# Altium PCB waffling80-NMB.PcbDoc (part 2 of 3)
Units mm, origin at the board's own origin, x right, y up, seen from the top; angles counter-clockwise.
Board outline 343.71 x 123.53 mm, 2 copper layers (Component Side, Bottom Layer), stack 1.171 mm thick; 246 components, 143 nets, 1022 pads, 157 vias.
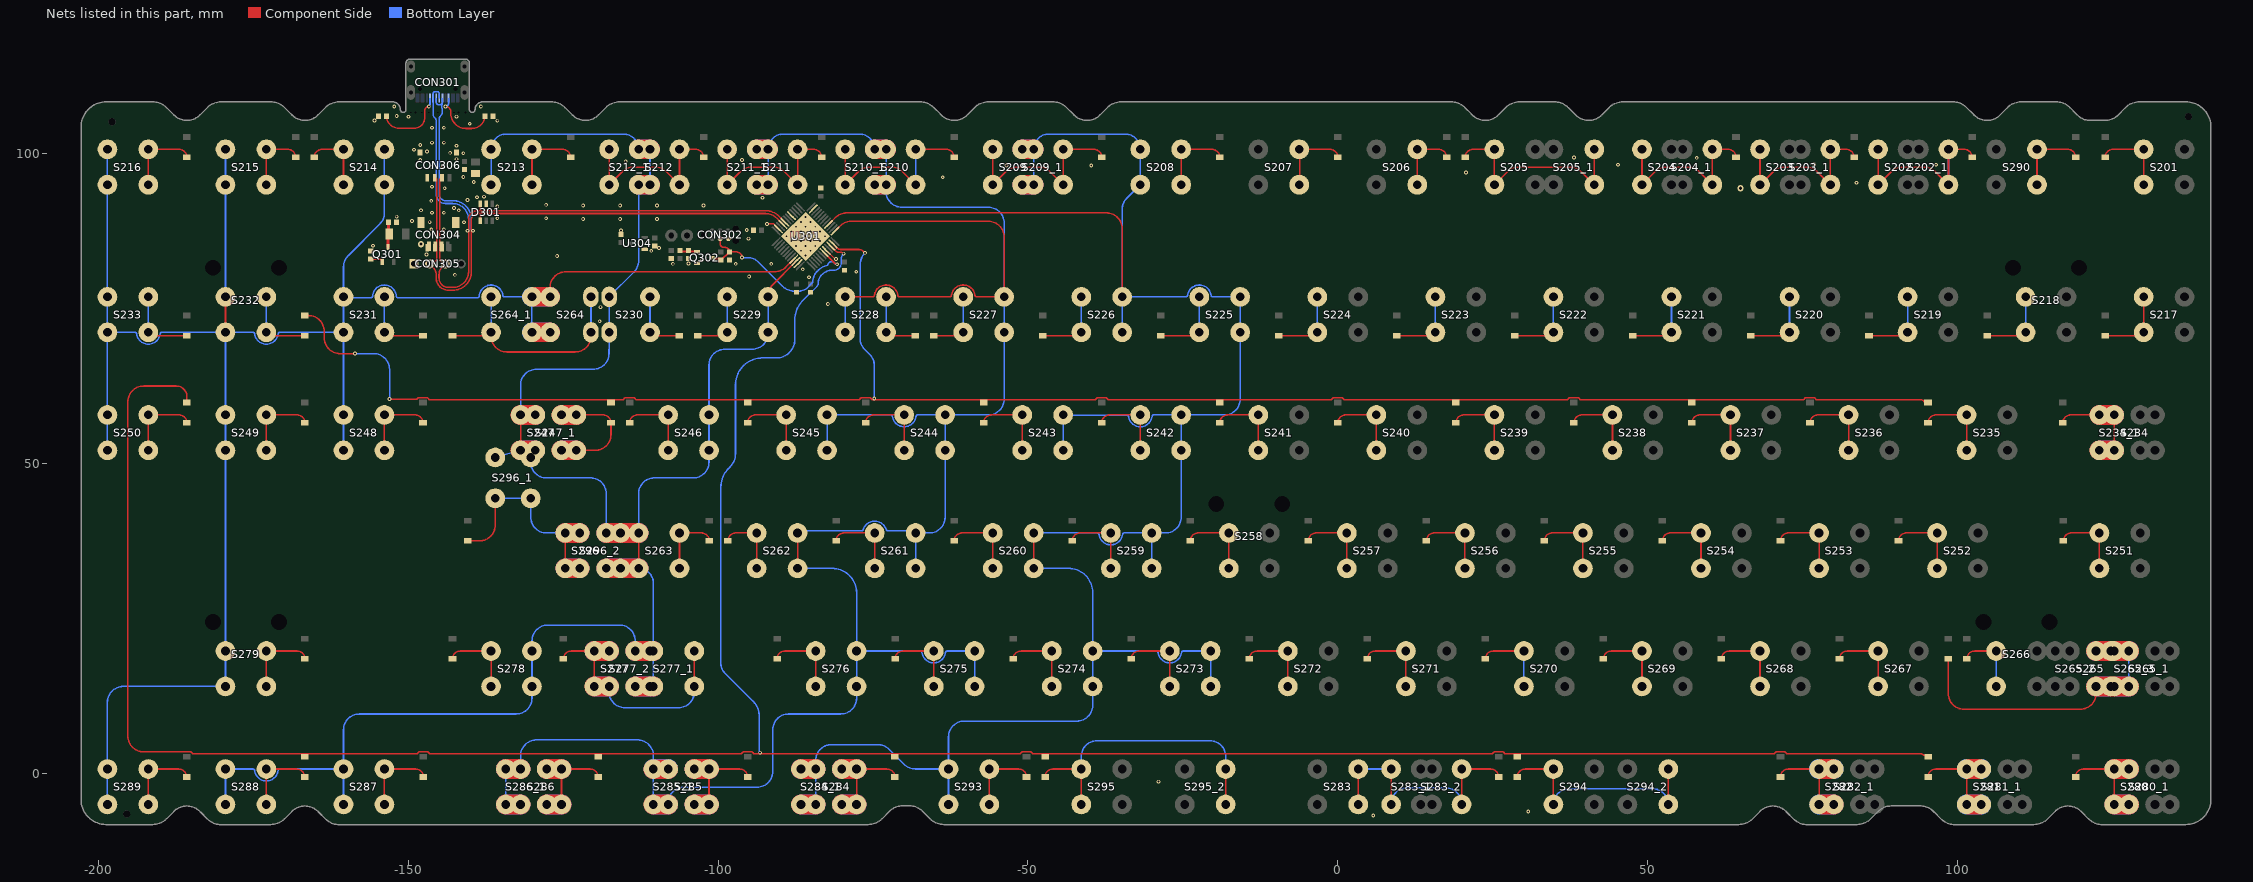
[diagram p2: the nets of this part, all layers, seen from the top]

## Via types
v1: diameter 0.6, hole 0.3, Component Side to Bottom Layer, tented both sides, 128 vias
v2: diameter 0.6, hole 0.3, Component Side to Bottom Layer, tented bottom, 25 vias
v3: diameter 1, hole 0.5, Component Side to Bottom Layer, tented both sides, 4 vias

## Nets (pads, with @x,y where several pads share a name; then routed paths per layer and width w, separated by ;. In a path a pad name is that pad's centre, name@x,y a point inside that pad or via, vN(x,y) a via of type N, cw(c..) or ccw(c..) an arc to the next point about the centre after c; other vN are vias at no path point) (continued)
col5: S208.2 S209.2 S209_1.2 S225.2 S226.2 S242.2 S243.2 S259.2 S260.2 S273.2 S274.2 S284.2 S284_1.2 S293.2 U301.16 | length 389.9
  Component Side w0.254: U301.16@-82.007,88.714 -81.078,89.643 cw(c-79.282,87.847) -79.282,90.387 -37.34,90.387 cw(c-37.34,87.847) -34.8,87.847 S226.2@-34.8,76.84 ; S260.2@-49.088,33.02 S260.2@-49.088,38.74
  Component Side w3.18: S284_1.2@-86.644,-5.08 S284.2@-84.263,-5.08 ; S284_1.2@-86.644,0.64 S284.2@-84.263,0.64 ; S209_1.2@-50.926,94.932 S209.2@-49.088,94.932 ; S209_1.2@-50.926,100.653 S209.2@-49.088,100.652
  Bottom Layer w0.254: S284.2@-84.263,-5.08 S284.2@-84.263,0.64 -84.263,2.032 cw(c-81.723,2.032) -81.723,4.572 -74.221,4.572 cw(c-74.221,2.032) -72.425,3.828 -69.981,1.384 ccw(c-68.185,3.18) -68.185,0.64 S293.2@-62.832,0.64 ; S293.2@-62.832,-5.08 S293.2@-62.832,0.64 ; S260.2@-49.088,33.02 -43.437,33.02 cw(c-43.437,29.145) -39.562,29.145 S274.2@-39.562,19.69 ; S260.2@-49.088,38.74 -38.793,38.74 cw(c-38.794,38.486) -38.542,38.516 ccw(c-36.638,38.74) -34.734,38.517 cw(c-34.482,38.486) -34.483,38.74 S259.2@-30.038,38.74 ; S209.2@-49.088,94.932 S209.2@-49.088,100.652 cw(c-46.64,100.652) -46.64,103.101 -34.325,103.101 cw(c-34.325,100.652) S208.2@-31.876,100.652 S208.2@-31.876,94.932 -34.057,92.751 ccw(c-32.26,90.955) -34.8,90.955 S226.2@-34.8,76.84 ; S243.2@-44.325,52.07 S243.2@-44.325,57.79 ccw(c-44.218,58.02) -44.219,57.766 -34.028,57.766 cw(c-34.029,57.512) -33.777,57.546 ccw(c-31.876,57.79) -29.972,57.566 cw(c-29.719,57.536) -29.721,57.79 S242.2@-25.275,57.79 ; S226.2@-34.8,71.12 S226.2@-34.8,76.84 ; S259.2@-30.038,33.02 S259.2@-30.038,38.74 ; -23.998,77.821 cw(c-22.351,76.84) -20.447,77.063 ccw(c-20.194,77.094) -20.196,76.84 S225.2@-15.75,76.84 S225.2@-15.75,71.12 -15.75,60.33 cw(c-18.29,60.33) -18.29,57.79 S242.2@-25.275,57.79 ; -23.511,78.366 ccw(c-22.351,76.84) -24.254,77.064 cw(c-24.507,77.094) -24.505,76.84 S226.2@-34.8,76.84 ; S273.2@-20.513,13.97 S273.2@-20.513,19.69 -24.958,19.69 ccw(c-24.957,19.436) -25.209,19.467 cw(c-27.113,19.69) -29.017,19.466 ccw(c-29.269,19.436) -29.268,19.69 S274.2@-39.562,19.69 ; S293.2@-62.832,0.64 -62.832,5.842 cw(c-60.292,5.842) -60.292,8.382 -42.102,8.382 ccw(c-42.102,10.922) -39.562,10.922 S274.2@-39.562,13.97 S274.2@-39.562,19.69 ; S259.2@-30.038,38.74 -27.815,38.74 ccw(c-27.815,41.28) -25.275,41.28 S242.2@-25.275,52.07 S242.2@-25.275,57.79
  Bottom Layer w3.18: S284_1.2@-86.644,0.64 S284.2@-84.263,0.64 ; S284_1.2@-86.603,-5.08 S284.2@-84.263,-5.08 ; S209_1.2@-50.926,94.932 S209.2@-49.088,94.932 ; S209_1.2@-50.926,100.653 S209.2@-49.088,100.652
col6: S210.2 S210_1.2 S211.2 S211_1.2 S227.2 S228.2 S244.2 S245.2 S261.2 S262.2 S275.2 S276.2 S285.2 S285_1.2 S286.2 S286_1.2 U301.13 | length 423.9
  Component Side w0.254: S262.2@-87.188,33.355 S262.2@-87.188,38.74 ; U301.13@-80.946,87.654 -80.26,88.339 cw(c-78.605,86.684) -78.605,89.025 -56.39,89.025 cw(c-56.39,86.485) -53.85,86.485 S227.2@-53.85,76.84 -58.296,76.84 cw(c-58.294,77.094) -58.547,77.063 ccw(c-60.451,76.84) -61.064,78.656 ; S228.2@-79.501,76.84 -75.055,76.84 ccw(c-75.057,77.094) -74.804,77.064 cw(c-72.9,76.84) -71.525,78.175 ; -72.423,78.696 cw(c-72.9,76.84) -70.997,77.063 ccw(c-70.744,77.094) -70.746,76.84 -62.605,76.84 ccw(c-62.607,77.094) -62.354,77.064 cw(c-60.451,76.84) -59.986,78.7
  Component Side w3.18: S286_1.2@-134.269,-5.08 S286.2@-131.888,-5.08 ; S286_1.2@-134.269,0.64 S286.2@-131.888,0.64 ; S285_1.2@-110.456,-5.08 S285.2@-108.075,-5.08 ; S285_1.2@-110.456,0.601 S285.2@-108.075,0.601 ; S211.2@-93.789,94.932 S211_1.2@-91.95,94.932 ; S211.2@-93.789,100.652 S211_1.2@-91.95,100.653 ; S210.2@-74.739,94.932 S210_1.2@-72.9,94.932 ; S210.2@-74.739,100.652 S210_1.2@-72.9,100.653
  Bottom Layer w0.254: S286_1.2@-134.269,-5.08 S286_1.2@-134.269,0.64 ; S286.2@-131.888,0.64 -131.888,2.794 cw(c-129.348,2.794) -129.348,5.334 -112.996,5.334 cw(c-112.996,2.794) -110.456,2.794 S285_1.2@-110.456,0.64 S285_1.2@-110.456,-5.08 ; S285.2@-108.075,-5.08 -108.075,-4.826 cw(c-105.535,-4.826) -105.535,-2.286 -93.726,-2.286 ccw(c-93.726,0.254) -91.186,0.254 -91.186,6.985 cw(c-88.646,6.985) -88.646,9.525 -80.203,9.525 ccw(c-80.203,12.065) -77.663,12.065 S276.2@-77.663,13.97 S276.2@-77.663,19.69 ; S211_1.2@-91.95,94.932 S211_1.2@-91.95,100.653 cw(c-89.502,100.653) -89.502,103.101 -77.188,103.101 cw(c-77.188,100.652) S210.2@-74.739,100.652 ; S262.2@-87.188,33.02 -81.588,33.02 cw(c-81.588,29.095) -77.663,29.095 S276.2@-77.663,19.69 ; S262.2@-87.188,38.74 cw(c-86.28,37.832) -86.28,39.116 -76.814,39.116 ccw(c-76.816,39.37) -76.573,39.295 cw(c-74.738,38.74) -72.903,39.295 ccw(c-72.66,39.37) -72.662,39.116 -68.619,39.116 cw(c-68.619,38.862) -68.44,39.042 S261.2@-68.138,38.74 ; S245.2@-82.425,52.07 S245.2@-82.425,57.79 -72.13,57.79 cw(c-72.132,57.536) -71.879,57.566 ccw(c-69.976,57.79) -68.072,57.567 cw(c-67.819,57.536) -67.821,57.79 S244.2@-63.375,57.79 ; S228.2@-79.501,71.12 S228.2@-79.501,76.84 ; S210_1.2@-72.9,100.653 S210_1.2@-72.9,94.932 -72.9,93.835 ccw(c-70.36,93.835) -70.36,91.295 -56.39,91.295 cw(c-56.39,88.755) -53.85,88.755 S227.2@-53.85,76.84 S227.2@-53.85,71.12 -53.85,60.33 cw(c-56.39,60.33) -56.39,57.79 S244.2@-63.375,57.79 ; S261.2@-68.138,33.02 S261.2@-68.138,38.74 ; S275.2@-58.613,13.97 S275.2@-58.613,19.69 -63.058,19.69 ccw(c-63.057,19.436) -63.309,19.467 cw(c-65.213,19.69) -67.117,19.466 ccw(c-67.369,19.436) -67.368,19.69 S276.2@-77.663,19.69 ; S261.2@-68.138,38.74 -65.915,38.74 ccw(c-65.915,41.28) -63.375,41.28 S244.2@-63.375,52.07 S244.2@-63.375,57.79
  Bottom Layer w3.18: S286_1.2@-134.269,0.64 S286.2@-131.888,0.64 ; S286_1.2@-134.228,-5.08 S286.2@-131.888,-5.08 ; S285_1.2@-110.456,0.64 S285.2@-108.075,0.64 ; S285_1.2@-110.416,-5.08 S285.2@-108.075,-5.08 ; S211.2@-93.789,94.932 S211_1.2@-91.95,94.932 ; S211.2@-93.789,100.652 S211_1.2@-91.95,100.653 ; S210.2@-74.739,94.932 S210_1.2@-72.9,94.932 ; S210.2@-74.739,100.652 S210_1.2@-72.9,100.653
col7: S212.2 S212_1.2 S213.2 S229.2 S230.2 S246.2 S247.2 S247_1.2 S263.2 S277.2 S277_1.2 S277_2.2 S278.2 S287.2 S288.2 S296.2 S296_1.2 S296_2.2 U301.46 | length 362.6
  Component Side w0.254: S247.2@-131.888,52.07 S247.2@-131.888,57.79 ; S296.2@-118.062,38.106 S296.2@-118.062,38.74 ; S263.2@-112.838,33.02 S263.2@-112.838,38.74 ; S229.2@-91.95,76.84 -91.95,77.011 cw(c-89.41,77.011) -91.207,78.807 U301.46@-87.628,82.386
  Component Side w3.18: S247.2@-131.888,52.07 S247_1.2@-129.506,52.069 ; S247.2@-131.888,57.79 S247_1.2@-129.506,57.79 ; S296.2@-118.062,38.74 S296_2.2@-115.763,38.74 S263.2@-112.838,38.74 ; S296.2@-118.021,33.02 S296_2.2@-115.763,33.02 S263.2@-112.838,33.02 S263.2@-112.797,33.02 ; S277.2@-113.382,13.97 S277_2.2@-111,13.97 S277_1.2@-110.457,13.97 ; S277.2@-113.382,19.69 S277_2.2@-111,19.69 S277_1.2@-110.457,19.69 ; S212.2@-112.839,94.932 S212_1.2@-111,94.932 ; S212.2@-112.839,100.652 S212_1.2@-111,100.653
  Bottom Layer w0.254: S288.2@-179.513,-5.08 S288.2@-179.513,0.64 -175.067,0.64 cw(c-175.069,0.386) -174.816,0.416 ccw(c-172.912,0.64) -171.009,0.417 cw(c-170.756,0.386) -170.758,0.64 S287.2@-160.463,0.64 ; S287.2@-160.463,-5.08 S287.2@-160.463,0.64 ; S213.2@-136.651,94.932 S213.2@-136.651,100.652 cw(c-134.202,100.652) -134.202,103.101 -115.288,103.101 cw(c-115.288,100.652) S212.2@-112.839,100.652 ; S296_1.2@-135.972,50.93 S247.2@-131.888,52.07 ; S247.2@-131.888,57.79 -131.888,62.611 cw(c-129.348,62.611) -129.348,65.151 -120.161,65.151 ccw(c-120.161,67.691) -117.621,67.691 -117.621,68.39 ccw(c-119.604,68.678) -117.601,68.678 S230.2@-117.601,71.12 S230.2@-117.601,76.84 -113.582,80.858 ccw(c-115.379,82.654) -112.839,82.654 S212.2@-112.839,94.932 ; S296_1.2@-130.252,50.93 -130.252,50.165 ccw(c-127.712,50.165) -127.712,47.625 -120.602,47.625 cw(c-120.602,45.085) -118.062,45.085 S296.2@-118.062,38.74 ; S277.2@-112.838,20.234 cw(c-113.382,20.234) S277.2@-113.382,19.69 -113.382,21.336 ccw(c-115.922,21.336) -115.922,23.876 -127.51,23.876 ccw(c-127.51,21.336) -130.05,21.336 S278.2@-130.05,19.69 S278.2@-130.05,13.97 -130.05,12.065 cw(c-132.59,12.065) -132.59,9.525 -157.923,9.525 ccw(c-157.923,6.985) -160.463,6.985 S287.2@-160.463,0.64 ; S263.2@-112.838,33.02 cw(c-112.838,30.639) -110.457,30.639 S277_1.2@-110.457,19.69 S277_1.2@-110.457,13.97 ; S263.2@-112.838,38.74 -112.838,45.085 cw(c-110.298,45.085) -110.298,47.625 -104.015,47.625 ccw(c-104.015,50.165) -101.475,50.165 S246.2@-101.475,52.07 S246.2@-101.475,57.79 -101.475,65.851 cw(c-98.935,65.851) -98.935,68.391 -94.49,68.391 ccw(c-94.49,70.931) -91.95,70.931 S229.2@-91.95,71.12 S229.2@-91.95,76.84 ; S212_1.2@-111,94.932 S212_1.2@-111,100.653
  Bottom Layer w3.18: S247.2@-131.805,52.069 S247_1.2@-129.527,52.069 ; S247.2@-131.785,57.79 S247_1.2@-129.506,57.79 ; S296.2@-118.062,33.02 S263.2@-112.838,33.02 ; S296.2@-118.041,38.74 S263.2@-112.838,38.74 ; S277.2@-113.382,13.97 S277_2.2@-111,13.97 S277_1.2@-110.457,13.97 ; S277.2@-113.382,19.69 S277_2.2@-111,19.69 S277_1.2@-110.457,19.69 ; S212.2@-112.839,94.932 S212_1.2@-111,94.932 ; S212.2@-112.839,100.652 S212_1.2@-111,100.653
col8: S214.2 S215.2 S216.2 S231.2 S232.2 S233.2 S248.2 S249.2 S250.2 S264.2 S264_1.2 S279.2 S289.2 U301.45 | length 360.8
  Component Side w0.254: S232.2@-179.513,71.12 S232.2@-179.513,76.84 ; S264.2@-127.126,76.84 -127.126,78.359 cw(c-124.586,78.359) -124.586,80.899 -90.874,80.899 ccw(c-90.874,83.439) -89.078,81.643 U301.45@-87.982,82.739
  Component Side w3.18: S264_1.2@-129.507,71.12 S264.2@-127.126,71.12 ; S264_1.2@-129.507,76.84 S264.2@-127.126,76.84
  Bottom Layer w0.254: S289.2@-198.563,-5.08 S289.2@-198.563,0.64 -198.563,11.43 cw(c-196.023,11.43) -196.023,13.97 S279.2@-179.513,13.97 S279.2@-179.513,19.69 S249.2@-179.513,52.07 S249.2@-179.513,57.79 S232.2@-179.513,71.12 ; S250.2@-198.563,52.07 S250.2@-198.563,57.79 S233.2@-198.563,71.12 ; S216.2@-198.563,100.652 S216.2@-198.563,94.932 S233.2@-198.563,76.84 S233.2@-198.563,71.12 ; S232.2@-179.513,76.84 S215.2@-179.513,94.932 S215.2@-179.513,100.652 ; S248.2@-160.463,52.07 S248.2@-160.463,57.79 S231.2@-160.463,71.12 ; -153.891,78.757 cw(c-153.862,76.84) -151.948,76.946 ccw(c-151.695,76.962) -151.696,76.708 -138.817,76.708 ccw(c-138.819,76.962) -138.565,76.947 cw(c-136.651,76.84) -138.015,78.187 ; S214.2@-153.862,100.652 S214.2@-153.862,94.932 -153.862,90.395 cw(c-156.402,90.395) -154.606,88.599 -159.719,83.486 ccw(c-157.923,81.69) -160.463,81.69 S231.2@-160.463,76.84 ; -153.211,78.643 ccw(c-153.862,76.84) -155.777,76.947 cw(c-156.03,76.962) -156.029,76.708 -160.241,76.708 cw(c-160.24,76.962) S231.2@-160.463,76.84 ; -138.423,77.572 cw(c-136.651,76.84) -134.747,77.063 ccw(c-134.495,77.094) -134.496,76.84 S264_1.2@-130.051,76.84 S264_1.2@-130.051,71.12 ; S233.2@-198.563,71.12 -194.117,71.12 cw(c-194.119,70.866) -193.866,70.896 ccw(c-191.962,71.12) -190.059,70.897 cw(c-189.806,70.866) -189.808,71.12 S232.2@-179.513,71.12 ; S232.2@-179.513,71.12 -175.067,71.12 cw(c-175.069,70.866) -174.816,70.896 ccw(c-172.912,71.12) -171.009,70.897 cw(c-170.756,70.866) -170.758,71.12 S231.2@-160.463,71.12 ; S231.2@-160.463,71.12 S231.2@-160.463,76.84
  Bottom Layer w3.18: S264_1.2@-130.051,71.12 S264.2@-127.126,71.12 ; S264_1.2@-130.051,76.84 S264.2@-127.126,76.84
D_N: CON301.A7 CON301.B7 CON304.2 CON305.2 CON306.2 D301.3 U301.32 | length 114.6
  Component Side w0.254: CON306.2@-144.561,96.05 ccw(c-144.561,95.679) -144.932,95.679 -144.932,85.251 ccw(c-144.661,85.251) CON304.2@-144.661,84.979 ccw(c-144.661,84.708) -144.932,84.708 -144.932,83.084 ccw(c-144.017,83.084) CON305.2@-144.017,82.168 -144.538,81.648 ccw(c-143.281,80.391) -145.058,80.391 -145.058,79.907 ccw(c-143.51,79.907) -143.51,78.359 -142.824,78.359 ccw(c-142.824,80.899) -140.284,80.899 -140.284,89.281 cw(c-138.811,89.281) -138.811,90.754 -138.374,90.754 ; D301.3@-138.389,91.862 -138.374,91.862 -138.374,90.754 ; U301.32@-89.868,89.51 ccw(c-89.838,89.541) -89.838,89.498 -89.408,89.068 U301.32@-89.396,89.068 ; U301.32@-89.868,89.51 -90.236,89.877 ccw(c-92.352,87.76) -92.352,90.754 -138.374,90.754
  Bottom Layer w0.254: CON301.A7@-145.007,108.92 -145.03,109.518 -145.03,109.645 ccw(c-145.357,109.645) -145.357,109.972 -145.657,109.972 ccw(c-145.657,109.645) -145.984,109.645 -145.984,109.518 CON301.B7@-146.007,108.92 -146.007,106.479 ccw(c-144.854,106.479) -145.669,105.664 cw(c-146.112,105.221) -145.486,105.221 -145.486,99.041 -145.486,93.378 ccw(c-144.018,93.378) -144.018,91.91 -142.824,91.91 cw(c-142.824,89.37) -140.284,89.37 v1@-140.284,87.678 ; v1(-140.462,87.5) ccw(c-140.462,87.678) v1@-140.284,87.678 ; v1@-140.284,87.48 v1@-140.284,87.678
D_P: CON301.A6 CON301.B6 CON304.3 CON305.3 CON306.3 D301.4 U301.33 | length 115.1
  Component Side w0.254: CON306.3@-145.761,96.05 cw(c-145.761,95.679) -145.39,95.679 -145.39,85.251 cw(c-145.661,85.251) CON304.3@-145.661,84.979 cw(c-145.661,84.708) -145.39,84.708 -145.39,83.336 cw(c-146.557,83.336) CON305.3@-146.557,82.168 -146.036,81.648 cw(c-147.293,80.391) -145.516,80.391 -145.516,79.907 ccw(c-143.51,79.907) -143.51,77.902 -142.824,77.902 ccw(c-142.824,80.899) -139.827,80.899 -139.827,89.281 cw(c-138.811,89.281) -138.811,90.297 -138.389,90.297 ; D301.4@-138.389,89.112 -138.389,90.297 ; U301.33@-89.75,88.714 -89.749,88.727 -90.179,89.156 ccw(c-90.222,89.156) -90.192,89.187 -90.558,89.553 ccw(c-92.354,87.757) -92.354,90.297 -138.389,90.297
  Bottom Layer w0.254: CON301.A6@-145.507,108.92 -145.484,108.322 -145.484,108.195 ccw(c-145.157,108.195) -145.157,107.868 -144.857,107.868 ccw(c-144.857,108.195) -144.53,108.195 -144.53,108.92 CON301.B6@-144.507,108.92 -144.507,108.042 cw(c-144.761,108.043) -144.546,107.907 ccw(c-144.018,107.569) -144.546,107.231 cw(c-144.761,107.095) -144.507,107.096 -144.507,106.824 cw(c-145.728,106.824) -144.865,105.96 ccw(c-144.469,105.565) -145.028,105.565 -145.028,93.378 ccw(c-144.018,93.378) -144.018,92.367 -142.824,92.367 cw(c-142.824,89.37) -139.827,89.37 -139.827,87.754 ccw(c-139.573,87.754) v1(-139.573,87.5)
GND: C301.1 C302.1 C303.1 C304.1 C305.1 C306.1 C307.1 C308.1 C310.2 C311.1 CON302.5 CON304.4 CON304.5 CON305.4 CON306.4 CON306.5 D301.2 L301.1 Q302.2 R301.2 R302.2 R304.2 R305.2 R307.2 U301.8 U301.23 U301.35 U301.47 U304.1 | length 17
  Component Side w0.254: v1(-92.131,88.606) -91.068,88.606 -90.469,88.007 U301.35@-90.457,88.007 ; U301.8@-82.36,84.154 -81.22,83.014 -81.041,83.014 v1(-80.975,82.947)
  Bottom Layer w0.254: v2(-86.656,84.277) v2(-84.322,86.611) ; v2(-86.656,88.944) v2(-85.1,87.389) v2(-84.322,86.611) ; v2@-85.878,89.722 v2(-85.1,88.944) v2(-84.322,88.166) v2(-83.545,87.389) ; v2(-83.545,85.833) v2(-84.322,86.611) ; v2(-82.767,86.611) v2(-83.545,87.389) ; v2(-84.322,86.611) v2(-83.545,87.389)
  other v1: 5.715,-6.858 30.734,-6.223 -28.956,-1.397 -119.126,72.898 -118.999,75.184 -82.296,75.692 -85.344,80.01 -94.996,80.137 -142.494,80.391 -77.724,80.899 -86.36,81.28 -107.315,82.169 -97.155,82.169 -91.44,82.169 -104.776,82.21 -102.616,82.804 -125.984,83.439 -147.066,83.693 -110.807,84.265 -109.555,84.717 -155.702,85.09 -95.123,86.233 -142.155,87.141 -115.697,87.533 -95.377,87.63 -146.304,87.757 -144.272,87.757 -146.558,88.9 -141.008,88.883 -149.395,89.088 -121.793,89.408 -115.824,89.408 -109.855,89.408 -135.636,89.535 -127.762,89.535 -151.892,89.789 -146.177,90.424 -144.272,90.424 -147.955,90.805 -141.859,90.805 -142.621,91.186 -135.636,91.44 -121.793,91.567 -115.824,91.567 -109.855,91.567 -102.362,91.567 -127.762,91.694 -146.304,92.329 -140.462,92.456 -92.837,92.837 -138.907,92.911 -137.807,93.008 -144.145,94.361 -146.177,94.615 83.693,95.25 -139.446,95.377 -63.754,96.139 -141.128,96.169 20.701,96.901 -146.304,97.79 -144.399,97.917 -39.783,98.022 -53.467,98.044 45.212,98.171 96.52,98.171 76.835,98.298 -114.935,98.679 -148.082,98.933 -96.139,98.933 -142.24,99.06 57.919,99.276 38.099,99.328 -141.128,100.013 -143.256,100.076 -146.989,100.307 -149.098,100.584 -142.24,101.219 -148.082,101.346 -146.177,101.727 -144.272,101.727 -146.177,104.14 -144.272,104.14 -140.081,104.775 -135.636,105.283 -155.478,105.3 -149.987,105.918 -142.237,105.921 -151.892,106.045 -152.273,107.569 -138.303,107.569
  other v2: -85.878,83.499 -85.1,84.277 -87.434,85.055 -85.878,85.055 -84.322,85.055 -88.212,85.833 -86.656,85.833 -85.1,85.833 -88.989,86.611 -87.434,86.611 -85.878,86.611 -88.212,87.389 -86.656,87.389 -87.434,88.166 -85.878,88.166 -85.878,89.722
  other v3: -147.955,85.344 64.992,94.374
LED: U301.29
NetC306_2: C306.2 F301.1 Q301.3 | length 4.1
  Component Side w0.5: Q301.3@-153.289,84.893 -153.289,86.821 ccw(c-153.289,86.933) -153.177,86.933 C306.2@-153.177,88.9
NetC309_2: C309.2 Q302.1 R305.1 | length 2.8
  Component Side w0.254: C309.2@-106.172,84.343 -105.874,84.163 -103.772,84.163 Q302.1@-103.399,84.135
NetCON301_A5: CON301.A5 R301.1 | length 11.9
  Component Side w0.254: R301.1@-153.528,106.045 ccw(c-151.544,106.045) -151.544,104.061 -149.042,104.061 ccw(c-149.042,105.759) -147.345,105.759 -147.345,106.909 cw(c-146.685,106.909) v1(-146.685,107.569)
  Bottom Layer w0.254: v1(-146.685,107.569) -146.685,107.663 -146.507,107.841 CON301.A5@-146.507,108.92
NetCON301_B5: CON301.B5 R302.1 | length 11.4
  Component Side w0.254: v1(-144.018,107.569) cw(c-144.018,106.695) -143.144,106.695 -143.144,106.432 ccw(c-140.725,106.432) -140.725,104.013 -139.775,104.013 ccw(c-139.775,106.164) R302.1@-137.623,106.164
  Bottom Layer w0.254: v1(-144.018,107.569) ccw(c-144.018,108.08) -143.914,107.58 ccw(c-144.018,108.08) -143.581,107.814 ccw(c-144.018,108.08) -143.507,108.08 CON301.B5@-143.507,108.92
NetD201_1: D201.1 S201.1 | length 12.7
  Component Side w0.254: D201.1@123.825,99.377 cw(c125.1,99.377) 125.1,100.652 S201.1@130.049,100.652 S201.1@130.049,94.932
NetD202_1: D202.1 S202.1 S202_1.1 | length 35.2
  Component Side w0.254: S202.1@87.187,100.652 S202.1@87.187,94.932 89.301,97.047 cw(c91.097,95.251) 91.097,97.791 94.639,97.791 cw(c94.639,95.251) 96.435,97.047 S202_1.1@98.55,94.932 S202_1.1@98.55,100.653 101.087,100.653 cw(c101.087,99.377) D202.1@102.362,99.377
  Bottom Layer w0.254: S202_1.1@98.55,94.932 S202_1.1@98.55,100.653
NetD203_1: D203.1 S203.1 S203_1.1 | length 29.5
  Component Side w0.254: S203.1@68.137,100.652 S203.1@68.137,94.932 70.251,97.047 cw(c72.047,95.251) 72.047,97.791 75.589,97.791 cw(c75.589,95.251) 77.385,97.047 S203_1.1@79.5,94.932 S203_1.1@79.5,100.653 82.037,100.653 cw(c82.037,99.377) D203.1@83.312,99.377
NetD204_1: D204.1 S204.1 S204_1.1 | length 29.5
  Component Side w0.254: S204.1@49.087,100.652 S204.1@49.087,94.932 51.201,97.047 cw(c52.997,95.251) 52.997,97.791 56.539,97.791 cw(c56.539,95.251) 58.335,97.047 S204_1.1@60.45,94.932 S204_1.1@60.45,100.653 62.987,100.653 cw(c62.987,99.377) D204.1@64.262,99.377
NetD205_1: D205.1 S205.1 S205_1.1 | length 35.2
  Component Side w0.254: D205.1@20.549,99.377 cw(c21.824,99.377) 21.824,100.652 S205.1@25.274,100.652 S205.1@25.274,94.932 27.388,97.046 cw(c29.184,95.249) 29.184,97.789 37.489,97.791 cw(c37.489,95.251) 39.285,97.047 S205_1.1@41.4,94.932 S205_1.1@41.4,100.653
NetD206_1: D206.1 S206.1 | length 11.2
  Component Side w0.254: S206.1@12.825,94.932 S206.1@12.825,100.652 16.274,100.652 cw(c16.274,99.377) D206.1@17.549,99.377
NetD207_1: D207.1 S207.1 | length 13
  Component Side w0.254: S207.1@-6.225,94.932 ccw(c-6.225,95.011) -6.146,95.011 S207.1@-6.146,100.459 ; S207.1@-5.95,100.377 cw(c-5.95,100.652) S207.1@-6.146,100.459 ; D207.1@0,99.377 ccw(c-1.275,99.377) -1.275,100.652 S207.1@-6.225,100.652 cw(c-6.225,100.573) -6.146,100.573 S207.1@-6.146,100.459
NetD208_1: D208.1 S208.1 | length 12.7
  Component Side w0.254: S208.1@-25.275,94.932 S208.1@-25.275,100.652 -20.325,100.652 cw(c-20.325,99.377) D208.1@-19.05,99.377
NetD209_1: D209.1 S209.1 S209_1.1 | length 31.9
  Component Side w0.254: S209.1@-55.689,94.932 S209.1@-55.689,100.652 ; S209.1@-55.688,94.933 -53.574,97.047 cw(c-51.778,95.251) -51.778,97.791 -48.236,97.791 cw(c-48.236,95.251) -46.44,97.047 S209_1.1@-44.325,94.932 S209_1.1@-44.325,100.653 -39.376,100.653 cw(c-39.376,99.377) D209.1@-38.1,99.377
NetD210_1: D210.1 S210.1 S210_1.1 | length 31.9
  Component Side w0.254: S210_1.1@-79.501,100.653 S210_1.1@-79.501,94.932 -77.387,97.046 cw(c-75.591,95.25) -75.591,97.79 -72.049,97.79 cw(c-72.049,95.25) -70.253,97.046 S210.1@-68.138,94.932 ; S210.1@-68.138,100.652 -63.188,100.652 cw(c-63.188,99.377) D210.1@-61.913,99.377
  Bottom Layer w0.254: S210.1@-68.138,94.932 S210.1@-68.138,100.652
NetD211_1: D211.1 S211.1 S211_1.1 | length 29.6
  Component Side w0.254: S211_1.1@-98.551,100.653 S211_1.1@-98.551,94.932 -96.437,97.046 cw(c-94.641,95.25) -94.641,97.79 -91.099,97.79 cw(c-91.099,95.25) -89.303,97.046 S211.1@-87.188,94.932 S211.1@-87.188,100.652 -84.587,100.652 cw(c-84.587,99.377) D211.1@-83.312,99.377
NetD212_1: D212.1 S212.1 S212_1.1 | length 29.6
  Component Side w0.254: S212_1.1@-117.601,100.653 S212_1.1@-117.601,94.932 -115.487,97.046 cw(c-113.691,95.25) -113.691,97.79 -110.149,97.79 cw(c-110.149,95.25) -108.353,97.046 S212.1@-106.238,94.932 S212.1@-106.238,100.652 -103.637,100.652 cw(c-103.637,99.377) D212.1@-102.362,99.377
NetD213_1: D213.1 S213.1 | length 12.7
  Component Side w0.254: S213.1@-130.05,94.932 S213.1@-130.05,100.652 -125.1,100.652 cw(c-125.1,99.377) D213.1@-123.825,99.377